# KiCad board solderCurved.kicad_pcb (continued)
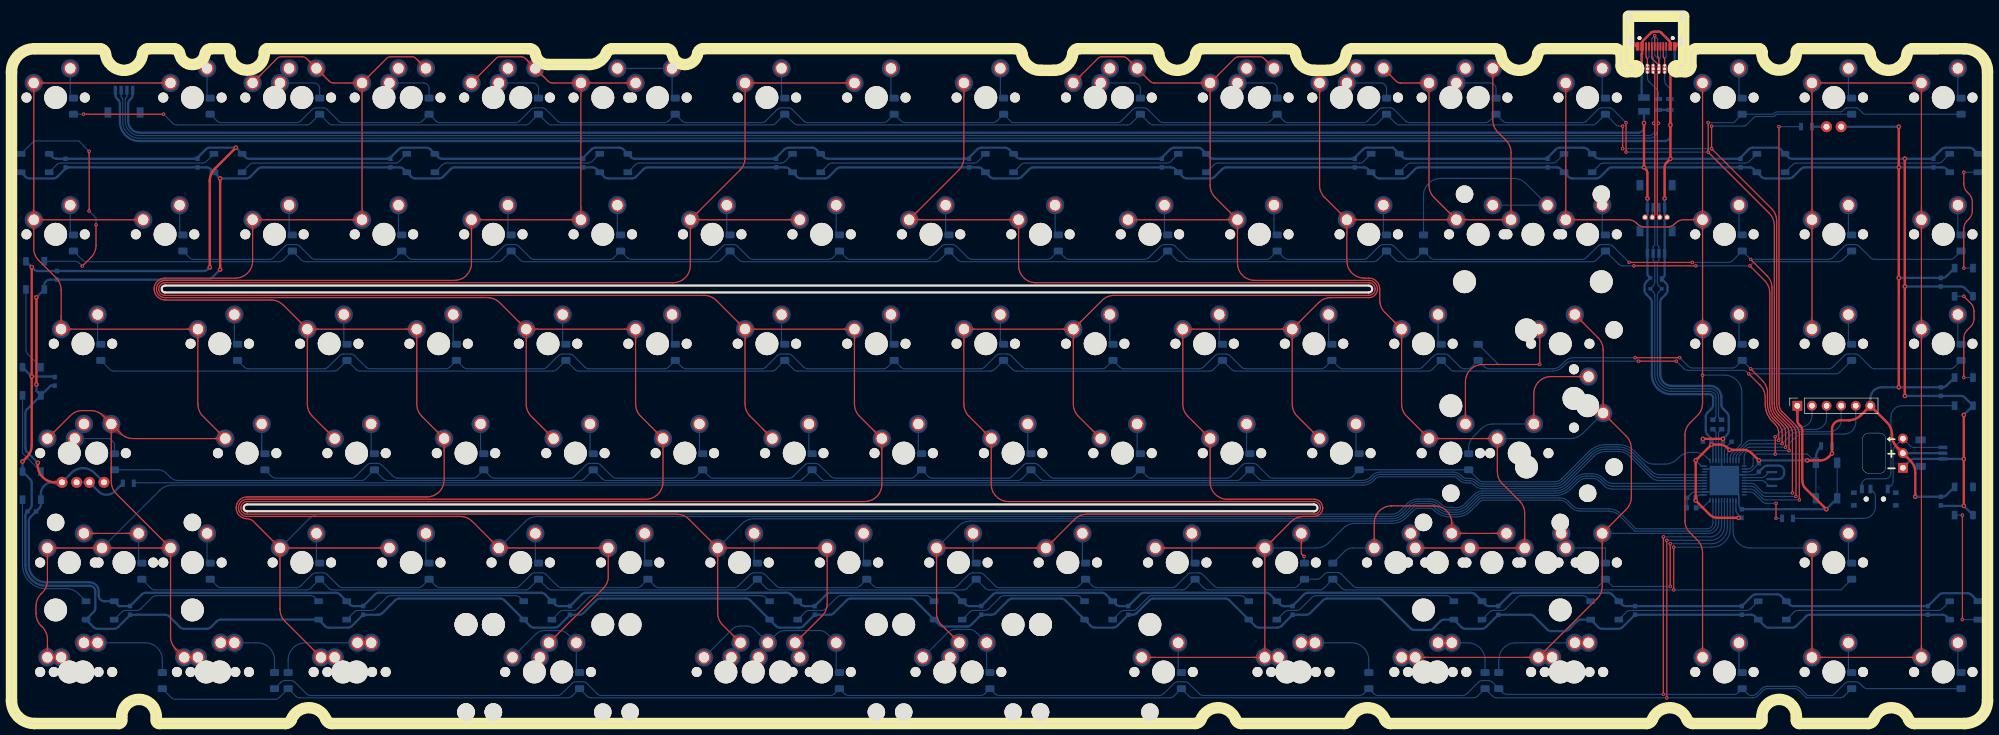
[diagram p0: board, top side]
## Copper pours and planes (outline as drawn; the poured copper is in the pictures) (continued)
Col2 on Top: 106.26,68.56 106.36,68.56 106.46,68.56 106.55,68.55 106.63,68.54 106.71,68.52 106.78,68.5 106.85,68.48 106.91,68.46 106.97,68.43 107.03,68.4 107.08,68.37 107.13,68.34 107.18,68.3 107.23,68.27 107.66,67.89 107.71,67.84 107.77,67.8 107.83,67.76 107.9,67.71 107.97,67.67 108.05,67.63 108.13,67.58 109.25,68.66 108.13,69.74 108.05,69.7 107.97,69.66 107.9,69.62 107.83,69.57 107.77,69.53 107.71,69.49 107.66,69.44 107.23,69.06 107.18,69.03 107.13,68.99 107.08,68.96 107.03,68.93 106.97,68.9 106.91,68.87 106.85,68.85 106.78,68.83 106.71,68.81 106.63,68.79 106.55,68.78 106.46,68.77 106.36,68.77 106.26,68.76
Col2 on Top: 101.52,111.63 101.41,111.63 101.32,111.63 101.23,111.64 101.15,111.66 101.07,111.67 101,111.69 100.93,111.71 100.87,111.73 100.81,111.76 100.75,111.79 100.7,111.82 100.65,111.85 100.6,111.89 100.55,111.93 100.12,112.3 100.07,112.35 100.01,112.39 99.95,112.44 99.88,112.48 99.81,112.52 99.73,112.57 99.65,112.61 98.53,111.53 99.65,110.45 99.73,110.49 99.81,110.53 99.88,110.57 99.95,110.62 100.01,110.66 100.07,110.71 100.12,110.75 100.55,111.13 100.6,111.17 100.65,111.2 100.7,111.23 100.75,111.26 100.81,111.29 100.87,111.32 100.93,111.34 101,111.36 101.07,111.38 101.15,111.4 101.23,111.41 101.32,111.42 101.41,111.43 101.52,111.43
Col2 on Top: 82.47,87.81 82.36,87.82 82.27,87.82 82.18,87.83 82.1,87.84 82.02,87.86 81.95,87.88 81.88,87.9 81.82,87.92 81.76,87.95 81.7,87.98 81.65,88.01 81.6,88.04 81.55,88.08 81.5,88.11 81.07,88.49 81.02,88.54 80.96,88.58 80.9,88.62 80.83,88.67 80.76,88.71 80.68,88.75 80.6,88.79 79.48,87.71 80.6,86.63 80.68,86.68 80.76,86.72 80.83,86.76 80.9,86.81 80.96,86.85 81.02,86.89 81.07,86.94 81.5,87.32 81.55,87.35 81.6,87.39 81.65,87.42 81.7,87.45 81.76,87.48 81.82,87.51 81.88,87.53 81.95,87.55 82.02,87.57 82.1,87.59 82.18,87.6 82.27,87.61 82.36,87.61 82.47,87.61
Col2 on Top: 91.99,68.76 91.89,68.77 91.79,68.77 91.71,68.78 91.62,68.79 91.55,68.81 91.47,68.83 91.41,68.85 91.34,68.87 91.28,68.9 91.23,68.93 91.17,68.96 91.12,68.99 91.07,69.03 91.03,69.06 90.6,69.44 90.54,69.49 90.48,69.53 90.42,69.57 90.35,69.62 90.28,69.66 90.21,69.7 90.12,69.74 89,68.66 90.12,67.58 90.21,67.63 90.28,67.67 90.35,67.71 90.42,67.76 90.48,67.8 90.54,67.84 90.6,67.89 91.03,68.27 91.07,68.3 91.12,68.34 91.17,68.37 91.23,68.4 91.28,68.43 91.34,68.46 91.41,68.48 91.47,68.5 91.55,68.52 91.62,68.54 91.71,68.55 91.79,68.56 91.89,68.56 91.99,68.56
Col2 on Top: 108.75,66.27 108.75,66.38 108.76,66.47 108.77,66.56 108.78,66.64 108.8,66.72 108.81,66.79 108.84,66.86 108.86,66.92 108.89,66.98 108.91,67.04 108.95,67.09 108.98,67.14 109.01,67.19 109.05,67.24 109.43,67.67 109.47,67.72 109.52,67.78 109.56,67.85 109.6,67.91 109.65,67.98 109.69,68.06 109.73,68.14 108.65,69.26 107.57,68.14 107.61,68.06 107.66,67.98 107.7,67.91 107.74,67.85 107.79,67.78 107.83,67.72 107.88,67.67 108.25,67.24 108.29,67.19 108.32,67.14 108.36,67.09 108.39,67.04 108.42,66.98 108.44,66.92 108.47,66.86 108.49,66.79 108.51,66.72 108.52,66.64 108.54,66.56 108.54,66.47 108.55,66.38 108.55,66.27
Col2 on Top: 89.43,115.69 89.5,115.61 89.56,115.54 89.62,115.47 89.67,115.41 89.71,115.34 89.75,115.28 89.78,115.21 89.81,115.15 89.83,115.09 89.85,115.03 89.87,114.97 89.88,114.91 89.89,114.85 89.9,114.79 89.94,114.22 89.94,114.15 89.95,114.08 89.97,114 89.98,113.93 90,113.84 90.03,113.76 90.06,113.67 91.61,113.64 91.58,115.2 91.5,115.23 91.41,115.25 91.33,115.27 91.25,115.29 91.18,115.3 91.1,115.31 91.03,115.32 90.46,115.36 90.4,115.36 90.34,115.37 90.29,115.39 90.23,115.4 90.17,115.42 90.1,115.45 90.04,115.47 89.98,115.51 89.92,115.54 89.85,115.59 89.78,115.64 89.71,115.69 89.64,115.76 89.57,115.83
Col2 on Top: 96.74,87.61 96.84,87.61 96.93,87.61 97.02,87.6 97.1,87.59 97.18,87.57 97.25,87.55 97.32,87.53 97.39,87.51 97.44,87.48 97.5,87.45 97.55,87.42 97.61,87.39 97.65,87.35 97.7,87.32 98.13,86.94 98.19,86.89 98.24,86.85 98.31,86.81 98.37,86.76 98.45,86.72 98.52,86.68 98.6,86.63 99.73,87.71 98.6,88.79 98.52,88.75 98.45,88.71 98.37,88.67 98.31,88.62 98.24,88.58 98.19,88.54 98.13,88.49 97.7,88.11 97.65,88.08 97.61,88.04 97.55,88.01 97.5,87.98 97.44,87.95 97.39,87.92 97.32,87.9 97.25,87.88 97.18,87.86 97.1,87.84 97.02,87.83 96.93,87.82 96.84,87.82 96.74,87.81
Col2 on Bottom: 86.46,32.33 86.38,32.25 86.31,32.19 86.24,32.13 86.18,32.08 86.11,32.04 86.05,32 85.99,31.97 85.92,31.94 85.86,31.92 85.8,31.9 85.74,31.88 85.68,31.87 85.62,31.86 85.56,31.85 84.99,31.82 84.92,31.81 84.85,31.8 84.78,31.79 84.7,31.77 84.62,31.75 84.53,31.73 84.45,31.7 84.41,30.14 85.97,30.17 86,30.26 86.03,30.34 86.04,30.42 86.06,30.5 86.07,30.58 86.08,30.65 86.09,30.72 86.13,31.29 86.14,31.35 86.15,31.41 86.16,31.47 86.17,31.53 86.19,31.59 86.22,31.65 86.25,31.71 86.28,31.77 86.32,31.84 86.36,31.9 86.41,31.97 86.47,32.04 86.53,32.11 86.6,32.18
Col2 on Bottom: 87.02,32.89 86.93,32.8 86.83,32.71 86.74,32.64 86.65,32.57 86.56,32.51 86.47,32.46 86.39,32.42 86.3,32.38 86.22,32.35 86.14,32.33 86.06,32.31 85.98,32.29 85.9,32.28 85.82,32.27 85.74,32.26 85.66,32.26 85.24,32.25 85.15,32.24 85.05,32.23 84.96,32.22 84.86,32.21 84.76,32.19 84.65,32.17 84.54,32.15 84.43,32.11 84.31,32.08 84.27,30 86.35,30.04 86.39,30.16 86.42,30.27 86.45,30.38 86.47,30.48 86.49,30.59 86.5,30.68 86.51,30.78 86.52,30.87 86.52,30.96 86.53,31.39 86.54,31.47 86.54,31.55 86.55,31.63 86.57,31.71 86.58,31.79 86.6,31.87 86.63,31.95 86.66,32.03 86.69,32.11 86.74,32.2 86.79,32.28 86.84,32.37 86.91,32.46 86.99,32.56 87.07,32.65 87.17,32.75
Col3 on Top: 130.7,51.23 130.77,51.16 130.84,51.09 130.89,51.02 130.94,50.95 130.99,50.89 131.03,50.82 131.06,50.76 131.09,50.7 131.11,50.64 131.13,50.58 131.14,50.52 131.16,50.46 131.17,50.4 131.18,50.34 131.21,49.77 131.22,49.7 131.23,49.63 131.24,49.55 131.26,49.47 131.28,49.39 131.3,49.31 131.33,49.22 132.89,49.19 132.86,50.75 132.77,50.78 132.69,50.8 132.61,50.82 132.53,50.84 132.45,50.85 132.38,50.86 132.31,50.87 131.74,50.9 131.68,50.91 131.62,50.92 131.56,50.93 131.5,50.95 131.44,50.97 131.38,50.99 131.32,51.02 131.26,51.05 131.19,51.09 131.13,51.13 131.06,51.18 130.99,51.24 130.92,51.3 130.84,51.38
Col3 on Top: 130.09,111.63 129.99,111.63 129.89,111.63 129.81,111.64 129.72,111.66 129.65,111.67 129.57,111.69 129.51,111.71 129.44,111.73 129.38,111.76 129.33,111.79 129.27,111.82 129.22,111.85 129.17,111.89 129.13,111.93 128.7,112.3 128.64,112.35 128.58,112.39 128.52,112.44 128.45,112.48 128.38,112.52 128.31,112.57 128.22,112.61 127.1,111.53 128.22,110.45 128.31,110.49 128.38,110.53 128.45,110.57 128.52,110.62 128.58,110.66 128.64,110.71 128.7,110.75 129.13,111.13 129.17,111.17 129.22,111.2 129.27,111.23 129.33,111.26 129.38,111.29 129.44,111.32 129.51,111.34 129.57,111.36 129.65,111.38 129.72,111.4 129.81,111.41 129.89,111.42 129.99,111.43 130.09,111.43
Col3 on Top: 127.8,66.27 127.8,66.38 127.81,66.47 127.82,66.56 127.83,66.64 127.85,66.72 127.86,66.79 127.89,66.86 127.91,66.92 127.94,66.98 127.96,67.04 128,67.09 128.03,67.14 128.06,67.19 128.1,67.24 128.48,67.67 128.52,67.72 128.57,67.78 128.61,67.85 128.65,67.91 128.7,67.98 128.74,68.06 128.78,68.14 127.7,69.26 126.62,68.14 126.66,68.06 126.71,67.98 126.75,67.91 126.79,67.85 126.84,67.78 126.88,67.72 126.93,67.67 127.3,67.24 127.34,67.19 127.37,67.14 127.41,67.09 127.44,67.04 127.47,66.98 127.49,66.92 127.52,66.86 127.54,66.79 127.56,66.72 127.57,66.64 127.59,66.56 127.59,66.47 127.6,66.38 127.6,66.27
Col3 on Top: 125.33,30.66 125.23,30.67 125.13,30.67 125.04,30.68 124.96,30.69 124.88,30.71 124.81,30.73 124.74,30.75 124.68,30.77 124.62,30.8 124.56,30.83 124.51,30.86 124.46,30.89 124.41,30.93 124.36,30.96 123.94,31.34 123.88,31.39 123.82,31.43 123.76,31.47 123.69,31.52 123.62,31.56 123.54,31.6 123.46,31.64 122.34,30.56 123.46,29.48 123.54,29.53 123.62,29.57 123.69,29.61 123.76,29.66 123.82,29.7 123.88,29.74 123.94,29.79 124.36,30.17 124.41,30.2 124.46,30.24 124.51,30.27 124.56,30.3 124.62,30.33 124.68,30.36 124.74,30.38 124.81,30.4 124.88,30.42 124.96,30.44 125.04,30.45 125.13,30.46 125.23,30.46 125.33,30.46
Col3 on Top: 121.18,32.18 121.25,32.11 121.31,32.04 121.37,31.97 121.42,31.9 121.46,31.84 121.5,31.77 121.53,31.71 121.56,31.65 121.58,31.59 121.6,31.53 121.62,31.47 121.63,31.41 121.64,31.35 121.65,31.29 121.69,30.72 121.69,30.65 121.7,30.58 121.72,30.5 121.73,30.42 121.75,30.34 121.78,30.26 121.81,30.17 123.36,30.14 123.33,31.7 123.25,31.73 123.16,31.75 123.08,31.77 123,31.79 122.93,31.8 122.85,31.81 122.78,31.82 122.21,31.85 122.15,31.86 122.09,31.87 122.04,31.88 121.98,31.9 121.92,31.92 121.85,31.94 121.79,31.97 121.73,32 121.67,32.04 121.6,32.08 121.53,32.13 121.46,32.19 121.39,32.25 121.32,32.33
Col3 on Top: 119.8,89.48 119.72,89.4 119.65,89.34 119.58,89.28 119.52,89.23 119.45,89.19 119.39,89.15 119.32,89.12 119.26,89.09 119.2,89.07 119.14,89.05 119.08,89.03 119.02,89.02 118.96,89.01 118.9,89 118.33,88.97 118.26,88.96 118.19,88.95 118.11,88.94 118.03,88.92 117.95,88.9 117.87,88.88 117.78,88.85 117.75,87.29 119.31,87.32 119.34,87.41 119.36,87.49 119.38,87.57 119.4,87.65 119.41,87.73 119.42,87.8 119.43,87.87 119.47,88.44 119.47,88.5 119.48,88.56 119.5,88.62 119.51,88.68 119.53,88.74 119.55,88.8 119.58,88.86 119.62,88.92 119.65,88.99 119.7,89.05 119.75,89.12 119.8,89.19 119.87,89.26 119.94,89.33
Col3 on Top: 138.05,15.82 137.98,15.74 137.91,15.68 137.84,15.62 137.77,15.57 137.71,15.53 137.64,15.49 137.58,15.46 137.52,15.43 137.46,15.41 137.4,15.39 137.34,15.37 137.28,15.36 137.22,15.35 137.16,15.34 136.59,15.31 136.52,15.3 136.44,15.29 136.37,15.28 136.29,15.26 136.21,15.24 136.13,15.22 136.04,15.19 136.01,13.63 137.57,13.66 137.59,13.75 137.62,13.83 137.64,13.91 137.65,13.99 137.67,14.07 137.68,14.14 137.69,14.21 137.72,14.78 137.73,14.84 137.74,14.9 137.75,14.96 137.77,15.02 137.79,15.08 137.81,15.14 137.84,15.2 137.87,15.26 137.91,15.33 137.95,15.39 138,15.46 138.06,15.53 138.12,15.6 138.19,15.67
Col3 on Top: 120.57,87.81 120.46,87.82 120.37,87.82 120.28,87.83 120.2,87.84 120.12,87.86 120.05,87.88 119.98,87.9 119.92,87.92 119.86,87.95 119.8,87.98 119.75,88.01 119.7,88.04 119.65,88.08 119.6,88.11 119.17,88.49 119.12,88.54 119.06,88.58 119,88.62 118.93,88.67 118.86,88.71 118.78,88.75 118.7,88.79 117.58,87.71 118.7,86.63 118.78,86.68 118.86,86.72 118.93,86.76 119,86.81 119.06,86.85 119.12,86.89 119.17,86.94 119.6,87.32 119.65,87.35 119.7,87.39 119.75,87.42 119.8,87.45 119.86,87.48 119.92,87.51 119.98,87.53 120.05,87.55 120.12,87.57 120.2,87.59 120.28,87.6 120.37,87.61 120.46,87.61 120.57,87.61
Col3 on Top: 151.61,47.22 151.62,47.33 151.62,47.42 151.63,47.51 151.64,47.59 151.66,47.67 151.68,47.74 151.7,47.81 151.72,47.87 151.75,47.93 151.78,47.99 151.81,48.04 151.84,48.09 151.88,48.14 151.91,48.19 152.29,48.62 152.33,48.67 152.38,48.73 152.42,48.8 152.47,48.86 152.51,48.93 152.55,49.01 152.59,49.09 151.51,50.21 150.43,49.09 150.48,49.01 150.52,48.93 150.56,48.86 150.6,48.8 150.65,48.73 150.69,48.67 150.74,48.62 151.12,48.19 151.15,48.14 151.19,48.09 151.22,48.04 151.25,47.99 151.28,47.93 151.31,47.87 151.33,47.81 151.35,47.74 151.37,47.67 151.39,47.59 151.4,47.51 151.41,47.42 151.41,47.33 151.41,47.22
Col3 on Top: 118.28,85.32 118.28,85.43 118.28,85.52 118.29,85.61 118.31,85.69 118.32,85.77 118.34,85.84 118.36,85.91 118.38,85.97 118.41,86.03 118.44,86.09 118.47,86.14 118.5,86.19 118.54,86.24 118.57,86.29 118.95,86.72 119,86.77 119.04,86.83 119.09,86.9 119.13,86.96 119.17,87.03 119.22,87.11 119.26,87.19 118.18,88.31 117.1,87.19 117.14,87.11 117.18,87.03 117.22,86.96 117.27,86.9 117.31,86.83 117.36,86.77 117.4,86.72 117.78,86.29 117.81,86.24 117.85,86.19 117.88,86.14 117.91,86.09 117.94,86.03 117.97,85.97 117.99,85.91 118.01,85.84 118.03,85.77 118.05,85.69 118.06,85.61 118.07,85.52 118.07,85.43 118.08,85.32
Col3 on Top: 149.75,51.23 149.82,51.16 149.89,51.09 149.94,51.02 149.99,50.95 150.04,50.89 150.08,50.82 150.11,50.76 150.14,50.7 150.16,50.64 150.18,50.58 150.19,50.52 150.21,50.46 150.22,50.4 150.23,50.34 150.26,49.77 150.27,49.7 150.28,49.63 150.29,49.55 150.31,49.47 150.33,49.39 150.35,49.31 150.38,49.22 151.94,49.19 151.91,50.75 151.82,50.78 151.74,50.8 151.66,50.82 151.58,50.84 151.5,50.85 151.43,50.86 151.36,50.87 150.79,50.9 150.73,50.91 150.67,50.92 150.61,50.93 150.55,50.95 150.49,50.97 150.43,50.99 150.37,51.02 150.31,51.05 150.24,51.09 150.18,51.13 150.11,51.18 150.04,51.24 149.97,51.3 149.89,51.38
Col3 on Top: 134.84,87.61 134.94,87.61 135.03,87.61 135.12,87.6 135.2,87.59 135.28,87.57 135.35,87.55 135.42,87.53 135.49,87.51 135.54,87.48 135.6,87.45 135.65,87.42 135.71,87.39 135.75,87.35 135.8,87.32 136.23,86.94 136.29,86.89 136.34,86.85 136.41,86.81 136.47,86.76 136.55,86.72 136.62,86.68 136.7,86.63 137.83,87.71 136.7,88.79 136.62,88.75 136.55,88.71 136.47,88.67 136.41,88.62 136.34,88.58 136.29,88.54 136.23,88.49 135.8,88.11 135.75,88.08 135.71,88.04 135.65,88.01 135.6,87.98 135.54,87.95 135.49,87.92 135.42,87.9 135.35,87.88 135.28,87.86 135.2,87.84 135.12,87.83 135.03,87.82 134.94,87.82 134.84,87.81
Col3 on Top: 144.36,68.56 144.46,68.56 144.56,68.56 144.65,68.55 144.73,68.54 144.81,68.52 144.88,68.5 144.95,68.48 145.01,68.46 145.07,68.43 145.13,68.4 145.18,68.37 145.23,68.34 145.28,68.3 145.33,68.27 145.76,67.89 145.81,67.84 145.87,67.8 145.93,67.76 146,67.71 146.07,67.67 146.15,67.63 146.23,67.58 147.35,68.66 146.23,69.74 146.15,69.7 146.07,69.66 146,69.62 145.93,69.57 145.87,69.53 145.81,69.49 145.76,69.44 145.33,69.06 145.28,69.03 145.23,68.99 145.18,68.96 145.13,68.93 145.07,68.9 145.01,68.87 144.95,68.85 144.88,68.83 144.81,68.81 144.73,68.79 144.65,68.78 144.56,68.77 144.46,68.77 144.36,68.76
Col3 on Top: 125.15,15.67 125.22,15.6 125.28,15.53 125.34,15.46 125.39,15.39 125.43,15.33 125.47,15.26 125.5,15.2 125.53,15.14 125.55,15.08 125.57,15.02 125.59,14.96 125.6,14.9 125.61,14.84 125.62,14.78 125.65,14.21 125.66,14.14 125.67,14.07 125.69,13.99 125.7,13.91 125.72,13.83 125.75,13.75 125.77,13.66 127.33,13.63 127.3,15.19 127.21,15.22 127.13,15.24 127.05,15.26 126.97,15.28 126.9,15.29 126.82,15.3 126.75,15.31 126.18,15.34 126.12,15.35 126.06,15.36 126,15.37 125.94,15.39 125.88,15.41 125.82,15.43 125.76,15.46 125.7,15.49 125.63,15.53 125.57,15.57 125.5,15.62 125.43,15.68 125.36,15.74 125.29,15.82
Col3 on Top: 144.36,111.43 144.46,111.43 144.56,111.42 144.65,111.41 144.73,111.4 144.81,111.38 144.88,111.36 144.95,111.34 145.01,111.32 145.07,111.29 145.13,111.26 145.18,111.23 145.23,111.2 145.28,111.17 145.33,111.13 145.76,110.75 145.81,110.71 145.87,110.66 145.93,110.62 146,110.57 146.07,110.53 146.15,110.49 146.23,110.45 147.35,111.53 146.23,112.61 146.15,112.57 146.07,112.52 146,112.48 145.93,112.44 145.87,112.39 145.81,112.35 145.76,112.3 145.33,111.93 145.28,111.89 145.23,111.85 145.18,111.82 145.13,111.79 145.07,111.76 145.01,111.73 144.95,111.71 144.88,111.69 144.81,111.67 144.73,111.66 144.65,111.64 144.56,111.63 144.46,111.63 144.36,111.63
Col3 on Top: 146.85,66.27 146.85,66.38 146.86,66.47 146.87,66.56 146.88,66.64 146.9,66.72 146.91,66.79 146.94,66.86 146.96,66.92 146.99,66.98 147.01,67.04 147.05,67.09 147.08,67.14 147.11,67.19 147.15,67.24 147.53,67.67 147.57,67.72 147.62,67.78 147.66,67.85 147.7,67.91 147.75,67.98 147.79,68.06 147.83,68.14 146.75,69.26 145.67,68.14 145.71,68.06 145.76,67.98 145.8,67.91 145.84,67.85 145.89,67.78 145.93,67.72 145.98,67.67 146.35,67.24 146.39,67.19 146.42,67.14 146.46,67.09 146.49,67.04 146.52,66.98 146.54,66.92 146.57,66.86 146.59,66.79 146.61,66.72 146.62,66.64 146.64,66.56 146.64,66.47 146.65,66.38 146.65,66.27
Col3 on Top: 123.04,28.17 123.04,28.28 123.05,28.37 123.06,28.46 123.07,28.54 123.08,28.62 123.1,28.69 123.12,28.76 123.15,28.82 123.17,28.88 123.2,28.94 123.23,28.99 123.27,29.04 123.3,29.09 123.34,29.14 123.72,29.57 123.76,29.62 123.8,29.68 123.85,29.75 123.89,29.81 123.94,29.88 123.98,29.96 124.02,30.04 122.94,31.16 121.86,30.04 121.9,29.96 121.94,29.88 121.99,29.81 122.03,29.75 122.07,29.68 122.12,29.62 122.16,29.57 122.54,29.14 122.58,29.09 122.61,29.04 122.64,28.99 122.68,28.94 122.7,28.88 122.73,28.82 122.76,28.76 122.78,28.69 122.79,28.62 122.81,28.54 122.82,28.46 122.83,28.37 122.84,28.28 122.84,28.17
Col3 on Top: 127.8,109.14 127.8,109.24 127.81,109.33 127.82,109.42 127.83,109.51 127.85,109.58 127.86,109.65 127.89,109.72 127.91,109.79 127.94,109.85 127.96,109.9 128,109.96 128.03,110.01 128.06,110.06 128.1,110.1 128.48,110.53 128.52,110.59 128.57,110.65 128.61,110.71 128.65,110.77 128.7,110.85 128.74,110.92 128.78,111 127.7,112.13 126.62,111 126.66,110.92 126.71,110.85 126.75,110.77 126.79,110.71 126.84,110.65 126.88,110.59 126.93,110.53 127.3,110.1 127.34,110.06 127.37,110.01 127.41,109.96 127.44,109.9 127.47,109.85 127.49,109.79 127.52,109.72 127.54,109.65 127.56,109.58 127.57,109.51 127.59,109.42 127.59,109.33 127.6,109.24 127.6,109.14
Col3 on Top: 139.6,30.46 139.7,30.46 139.8,30.46 139.88,30.45 139.97,30.44 140.04,30.42 140.12,30.4 140.18,30.38 140.25,30.36 140.31,30.33 140.36,30.3 140.42,30.27 140.47,30.24 140.52,30.2 140.56,30.17 140.99,29.79 141.05,29.74 141.11,29.7 141.17,29.66 141.24,29.61 141.31,29.57 141.38,29.53 141.47,29.48 142.59,30.56 141.47,31.64 141.38,31.6 141.31,31.56 141.24,31.52 141.17,31.47 141.11,31.43 141.05,31.39 140.99,31.34 140.56,30.96 140.52,30.93 140.47,30.89 140.42,30.86 140.36,30.83 140.31,30.8 140.25,30.77 140.18,30.75 140.12,30.73 140.04,30.71 139.97,30.69 139.88,30.68 139.8,30.67 139.7,30.67 139.6,30.66
Col3 on Top: 125.94,70.28 126.01,70.21 126.07,70.14 126.13,70.07 126.18,70 126.22,69.94 126.26,69.87 126.3,69.81 126.32,69.75 126.35,69.69 126.37,69.63 126.38,69.57 126.39,69.51 126.4,69.45 126.41,69.39 126.45,68.82 126.46,68.75 126.47,68.68 126.48,68.6 126.5,68.52 126.52,68.44 126.54,68.36 126.57,68.27 128.13,68.24 128.1,69.8 128.01,69.83 127.92,69.85 127.84,69.87 127.77,69.89 127.69,69.9 127.62,69.91 127.55,69.92 126.98,69.95 126.92,69.96 126.86,69.97 126.8,69.98 126.74,70 126.68,70.02 126.62,70.04 126.56,70.07 126.49,70.1 126.43,70.14 126.36,70.18 126.3,70.23 126.23,70.29 126.16,70.35 126.08,70.43
Col3 on Top: 130.09,68.76 129.99,68.77 129.89,68.77 129.81,68.78 129.72,68.79 129.65,68.81 129.57,68.83 129.51,68.85 129.44,68.87 129.38,68.9 129.33,68.93 129.27,68.96 129.22,68.99 129.17,69.03 129.13,69.06 128.7,69.44 128.64,69.49 128.58,69.53 128.52,69.57 128.45,69.62 128.38,69.66 128.31,69.7 128.22,69.74 127.1,68.66 128.22,67.58 128.31,67.63 128.38,67.67 128.45,67.71 128.52,67.76 128.58,67.8 128.64,67.84 128.7,67.89 129.13,68.27 129.17,68.3 129.22,68.34 129.27,68.37 129.33,68.4 129.38,68.43 129.44,68.46 129.51,68.48 129.57,68.5 129.65,68.52 129.72,68.54 129.81,68.55 129.89,68.56 129.99,68.56 130.09,68.56
Col3 on Top: 142.09,28.17 142.09,28.28 142.1,28.37 142.11,28.46 142.12,28.54 142.13,28.62 142.15,28.69 142.17,28.76 142.2,28.82 142.22,28.88 142.25,28.94 142.28,28.99 142.32,29.04 142.35,29.09 142.39,29.14 142.77,29.57 142.81,29.62 142.85,29.68 142.9,29.75 142.94,29.81 142.99,29.88 143.03,29.96 143.07,30.04 141.99,31.16 140.91,30.04 140.95,29.96 140.99,29.88 141.04,29.81 141.08,29.75 141.12,29.68 141.17,29.62 141.21,29.57 141.59,29.14 141.63,29.09 141.66,29.04 141.69,28.99 141.73,28.94 141.75,28.88 141.78,28.82 141.81,28.76 141.83,28.69 141.84,28.62 141.86,28.54 141.87,28.46 141.88,28.37 141.89,28.28 141.89,28.17
Col3 on Bottom: 125.12,32.89 125.03,32.8 124.93,32.71 124.84,32.64 124.75,32.57 124.66,32.51 124.57,32.46 124.49,32.42 124.4,32.38 124.32,32.35 124.24,32.33 124.16,32.31 124.08,32.29 124,32.28 123.92,32.27 123.84,32.26 123.76,32.26 123.34,32.25 123.25,32.24 123.15,32.23 123.06,32.22 122.96,32.21 122.86,32.19 122.75,32.17 122.64,32.15 122.53,32.11 122.41,32.08 122.37,30 124.45,30.04 124.49,30.16 124.52,30.27 124.55,30.38 124.57,30.48 124.59,30.59 124.6,30.68 124.61,30.78 124.62,30.87 124.62,30.96 124.63,31.39 124.64,31.47 124.64,31.55 124.65,31.63 124.67,31.71 124.68,31.79 124.7,31.87 124.73,31.95 124.76,32.03 124.79,32.11 124.84,32.2 124.89,32.28 124.94,32.37 125.01,32.46 125.09,32.56 125.17,32.65 125.27,32.75
Col3 on Bottom: 124.56,32.33 124.48,32.25 124.41,32.19 124.34,32.13 124.28,32.08 124.21,32.04 124.15,32 124.09,31.97 124.02,31.94 123.96,31.92 123.9,31.9 123.84,31.88 123.78,31.87 123.72,31.86 123.66,31.85 123.09,31.82 123.02,31.81 122.95,31.8 122.88,31.79 122.8,31.77 122.72,31.75 122.63,31.73 122.55,31.7 122.51,30.14 124.07,30.17 124.1,30.26 124.13,30.34 124.14,30.42 124.16,30.5 124.17,30.58 124.18,30.65 124.19,30.72 124.23,31.29 124.24,31.35 124.25,31.41 124.26,31.47 124.27,31.53 124.29,31.59 124.32,31.65 124.35,31.71 124.38,31.77 124.42,31.84 124.46,31.9 124.51,31.97 124.57,32.04 124.63,32.11 124.7,32.18
Col4 on Top: 175.43,85.32 175.43,85.43 175.43,85.52 175.44,85.61 175.46,85.69 175.47,85.77 175.49,85.84 175.51,85.91 175.53,85.97 175.56,86.03 175.59,86.09 175.62,86.14 175.65,86.19 175.69,86.24 175.72,86.29 176.1,86.72 176.15,86.77 176.19,86.83 176.24,86.9 176.28,86.96 176.32,87.03 176.37,87.11 176.41,87.19 175.33,88.31 174.25,87.19 174.29,87.11 174.33,87.03 174.37,86.96 174.42,86.9 174.46,86.83 174.51,86.77 174.55,86.72 174.93,86.29 174.96,86.24 175,86.19 175.03,86.14 175.06,86.09 175.09,86.03 175.12,85.97 175.14,85.91 175.16,85.84 175.18,85.77 175.2,85.69 175.21,85.61 175.22,85.52 175.22,85.43 175.23,85.32
Col4 on Top: 186.47,70.43 186.4,70.35 186.33,70.29 186.26,70.23 186.19,70.18 186.12,70.14 186.06,70.1 186,70.07 185.94,70.04 185.87,70.02 185.81,70 185.76,69.98 185.7,69.97 185.64,69.96 185.58,69.95 185.01,69.92 184.94,69.91 184.86,69.9 184.79,69.89 184.71,69.87 184.63,69.85 184.54,69.83 184.46,69.8 184.43,68.24 185.99,68.27 186.01,68.36 186.04,68.44 186.06,68.52 186.07,68.6 186.09,68.68 186.1,68.75 186.11,68.82 186.14,69.39 186.15,69.45 186.16,69.51 186.17,69.57 186.19,69.63 186.21,69.69 186.23,69.75 186.26,69.81 186.29,69.87 186.33,69.94 186.37,70 186.42,70.07 186.48,70.14 186.54,70.21 186.61,70.28
Col4 on Top: 157.9,89.48 157.82,89.4 157.75,89.34 157.68,89.28 157.62,89.23 157.55,89.19 157.49,89.15 157.42,89.12 157.36,89.09 157.3,89.07 157.24,89.05 157.18,89.03 157.12,89.02 157.06,89.01 157,89 156.43,88.97 156.36,88.96 156.29,88.95 156.21,88.94 156.13,88.92 156.05,88.9 155.97,88.88 155.88,88.85 155.85,87.29 157.41,87.32 157.44,87.41 157.46,87.49 157.48,87.57 157.5,87.65 157.51,87.73 157.52,87.8 157.53,87.87 157.57,88.44 157.57,88.5 157.58,88.56 157.6,88.62 157.61,88.68 157.63,88.74 157.65,88.8 157.68,88.86 157.72,88.92 157.75,88.99 157.8,89.05 157.85,89.12 157.9,89.19 157.97,89.26 158.04,89.33
Col4 on Top: 165.9,109.14 165.9,109.24 165.91,109.33 165.92,109.42 165.93,109.51 165.95,109.58 165.96,109.65 165.99,109.72 166.01,109.79 166.04,109.85 166.06,109.9 166.1,109.96 166.13,110.01 166.16,110.06 166.2,110.1 166.58,110.53 166.62,110.59 166.67,110.65 166.71,110.71 166.75,110.77 166.8,110.85 166.84,110.92 166.88,111 165.8,112.13 164.72,111 164.76,110.92 164.81,110.85 164.85,110.77 164.89,110.71 164.94,110.65 164.98,110.59 165.03,110.53 165.4,110.1 165.44,110.06 165.47,110.01 165.51,109.96 165.54,109.9 165.57,109.85 165.59,109.79 165.62,109.72 165.64,109.65 165.66,109.58 165.67,109.51 165.69,109.42 165.69,109.33 165.7,109.24 165.7,109.14
Col4 on Top: 163.43,30.66 163.33,30.67 163.23,30.67 163.14,30.68 163.06,30.69 162.98,30.71 162.91,30.73 162.84,30.75 162.78,30.77 162.72,30.8 162.66,30.83 162.61,30.86 162.56,30.89 162.51,30.93 162.46,30.96 162.04,31.34 161.98,31.39 161.92,31.43 161.86,31.47 161.79,31.52 161.72,31.56 161.64,31.6 161.56,31.64 160.44,30.56 161.56,29.48 161.64,29.53 161.72,29.57 161.79,29.61 161.86,29.66 161.92,29.7 161.98,29.74 162.04,29.79 162.46,30.17 162.51,30.2 162.56,30.24 162.61,30.27 162.66,30.3 162.72,30.33 162.78,30.36 162.84,30.38 162.91,30.4 162.98,30.42 163.06,30.44 163.14,30.45 163.23,30.46 163.33,30.46 163.43,30.46
Col4 on Top: 161.14,28.17 161.14,28.28 161.15,28.37 161.16,28.46 161.17,28.54 161.18,28.62 161.2,28.69 161.22,28.76 161.25,28.82 161.27,28.88 161.3,28.94 161.33,28.99 161.37,29.04 161.4,29.09 161.44,29.14 161.82,29.57 161.86,29.62 161.9,29.68 161.95,29.75 161.99,29.81 162.04,29.88 162.08,29.96 162.12,30.04 161.04,31.16 159.96,30.04 160,29.96 160.04,29.88 160.09,29.81 160.13,29.75 160.17,29.68 160.22,29.62 160.26,29.57 160.64,29.14 160.68,29.09 160.71,29.04 160.74,28.99 160.78,28.94 160.8,28.88 160.83,28.82 160.86,28.76 160.88,28.69 160.89,28.62 160.91,28.54 160.92,28.46 160.93,28.37 160.94,28.28 160.94,28.17
Col4 on Top: 168.19,68.76 168.09,68.77 167.99,68.77 167.91,68.78 167.82,68.79 167.75,68.81 167.67,68.83 167.61,68.85 167.54,68.87 167.48,68.9 167.43,68.93 167.37,68.96 167.32,68.99 167.27,69.03 167.23,69.06 166.8,69.44 166.74,69.49 166.68,69.53 166.62,69.57 166.55,69.62 166.48,69.66 166.41,69.7 166.32,69.74 165.2,68.66 166.32,67.58 166.41,67.63 166.48,67.67 166.55,67.71 166.62,67.76 166.68,67.8 166.74,67.84 166.8,67.89 167.23,68.27 167.27,68.3 167.32,68.34 167.37,68.37 167.43,68.4 167.48,68.43 167.54,68.46 167.61,68.48 167.67,68.5 167.75,68.52 167.82,68.54 167.91,68.55 167.99,68.56 168.09,68.56 168.19,68.56
Col4 on Top: 182.46,68.56 182.56,68.56 182.66,68.56 182.75,68.55 182.83,68.54 182.91,68.52 182.98,68.5 183.05,68.48 183.11,68.46 183.17,68.43 183.23,68.4 183.28,68.37 183.33,68.34 183.38,68.3 183.43,68.27 183.86,67.89 183.91,67.84 183.97,67.8 184.03,67.76 184.1,67.71 184.17,67.67 184.25,67.63 184.33,67.58 185.45,68.66 184.33,69.74 184.25,69.7 184.17,69.66 184.1,69.62 184.03,69.57 183.97,69.53 183.91,69.49 183.86,69.44 183.43,69.06 183.38,69.03 183.33,68.99 183.28,68.96 183.23,68.93 183.17,68.9 183.11,68.87 183.05,68.85 182.98,68.83 182.91,68.81 182.83,68.79 182.75,68.78 182.66,68.77 182.56,68.77 182.46,68.76